# KiCad board afterglow_whitestar.kicad_pcb (continued)
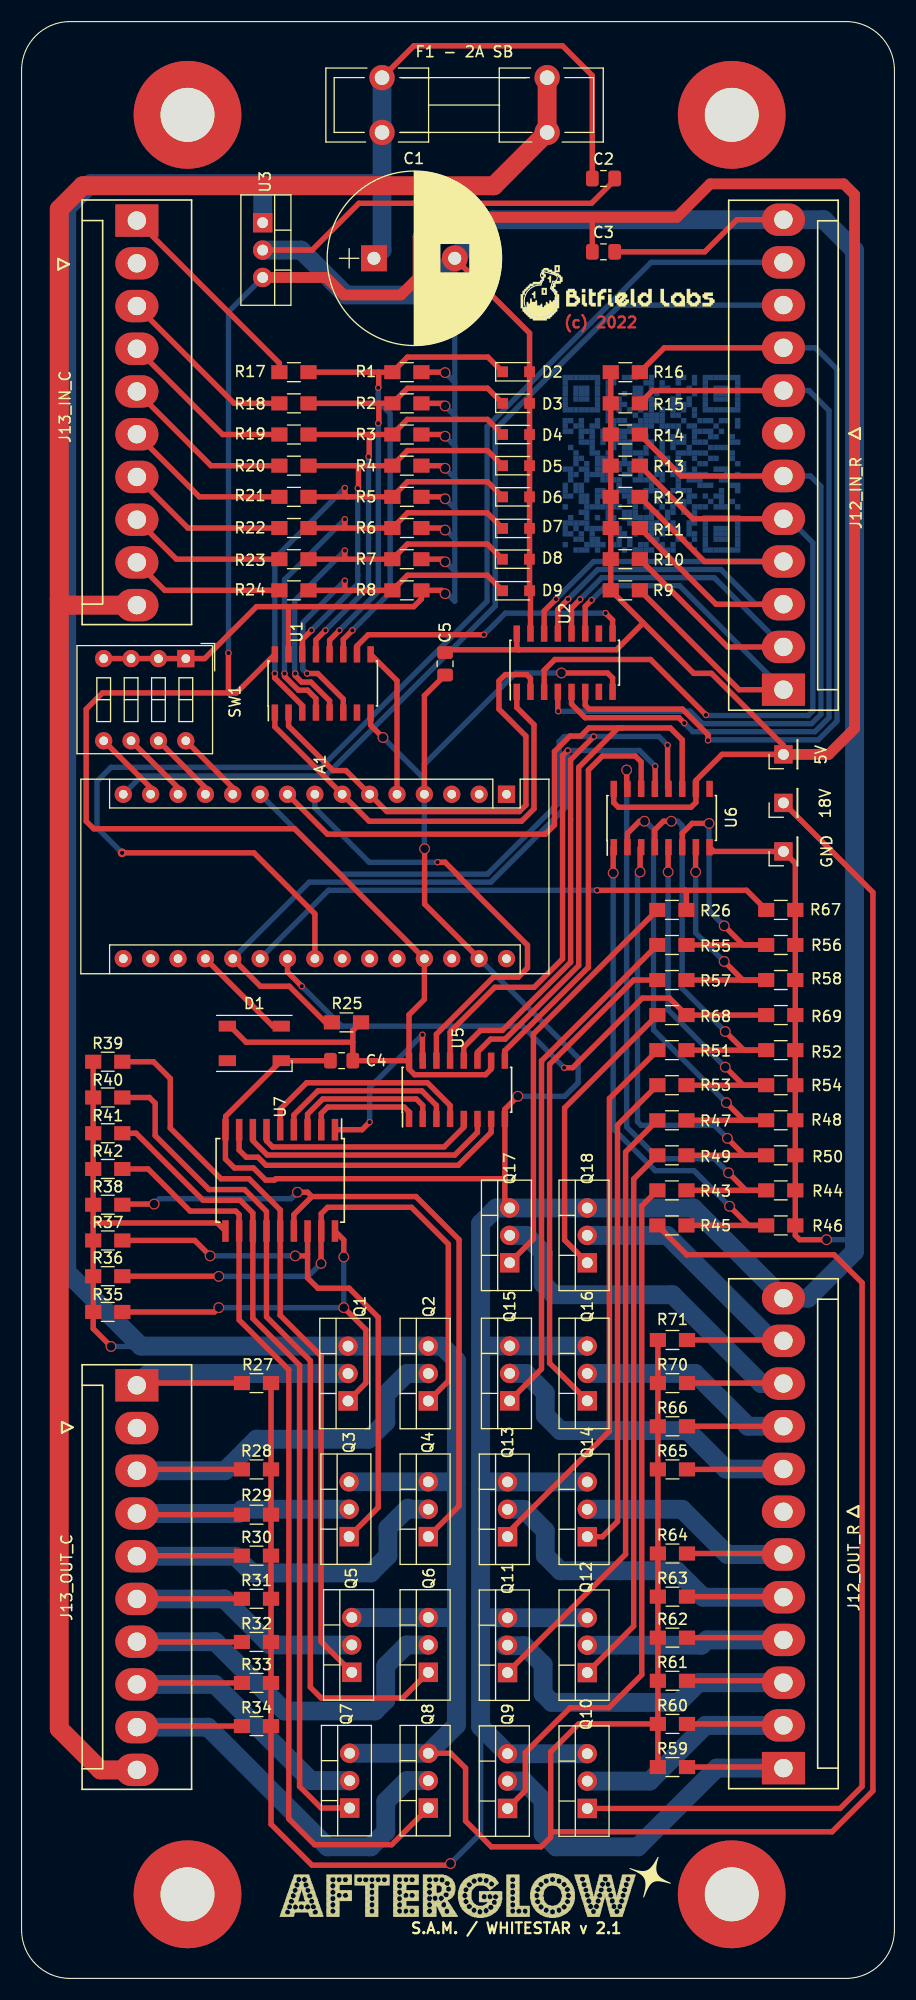
[diagram p0: board, top side]
## Nets
/5V: 5V.1 A1.27 C3.1 C4.2 C5.2 D1.1 R9.2 R10.2 R11.2 R12.2 R13.2 R14.2 R15.2 R16.2 R25.1 U1.16 U2.16 U3.3 U5.10 U5.16 U6.10 U6.16
/18V: 18V.1 C1.1 C2.1 F1 - 2A SB.1 Q1.3 Q2.3 Q3.3 Q4.3 Q5.3 Q6.3 Q7.3 Q8.3 R35.1 R36.1 R37.1 R38.1 R39.1 R40.1 R41.1 R42.1 R59.2 R60.2 R61.2 R62.2 R63.2 R64.2 R65.2 R66.2 R70.2 R71.2 U3.1 U7.10
/18V_IN: F1 - 2A SB.2 J13_IN_C.10 J13_OUT_C.10
GND: A1.4 A1.29 C1.2 C2.2 C3.2 C4.1 C5.1 D1.3 D2.2 D3.2 D4.2 D5.2 D6.2 D7.2 D8.2 D9.2 GND.1 HOLE1.1 HOLE2.1 HOLE3.1 HOLE4.1 J12_IN_R.12 J12_OUT_R.12 Q9.3 Q10.3 Q11.3 Q12.3 Q13.3 Q14.3 Q15.3 Q16.3 Q17.3 Q18.3 R1.2 R2.2 R3.2 R4.2 R5.2 R6.2 R7.2 R8.2 R27.1 R28.1 R29.1 R30.1 R31.1 R32.1 R33.1 R34.1 R44.1 R46.1 R48.1 R50.1 R52.1 R54.1 R56.1 R58.1 R67.1 R69.1 SW1.1 SW1.2 SW1.3 SW1.4 U1.8 U1.15 U2.8 U2.15 U3.2 U5.8 U6.8 U7.9
/CI1: D2.1 R1.1 R17.1 U1.11
/CI2: D3.1 R2.1 R18.1 U1.12
/CI3: D4.1 R3.1 R19.1 U1.13
/CI4: D5.1 R4.1 R20.1 U1.14
/CI5: D6.1 R5.1 R21.1 U1.3
/CI6: D7.1 R6.1 R22.1 U1.4
/CI7: D8.1 R7.1 R23.1 U1.5
/CI8: D9.1 R8.1 R24.1 U1.6
/CO1: Q1.1 R35.2 U7.18
/CO2: Q2.1 R36.2 U7.17
/CO3: Q3.1 R37.2 U7.16
/CO4: Q4.1 R38.2 U7.15
/CO5: Q5.1 R39.2 U7.14
/CO6: Q6.1 R40.2 U7.13
/CO7: Q7.1 R41.2 U7.12
/CO8: Q8.1 R42.2 U7.11
/IN_CLK: A1.6 U1.2 U2.2
/IN_DATA: A1.5 U1.9
/IN_LOAD: A1.7 U1.1 U2.1
/J12_RO1: J12_OUT_R.1 Q9.2 R59.1
/J12_RO2: J12_OUT_R.2 Q10.2 R60.1
/J12_RO3: J12_OUT_R.3 Q11.2 R61.1
/J12_RO4: J12_OUT_R.4 Q12.2 R62.1
/J12_RO5: J12_OUT_R.5 Q13.2 R63.1
/J12_RO6: J12_OUT_R.6 Q14.2 R64.1
/J12_RO7: J12_OUT_R.8 Q15.2 R65.1
/J12_RO8: J12_OUT_R.9 Q16.2 R66.1
/J12_RO9: J12_OUT_R.10 Q17.2 R70.1
/J12_RO10: J12_OUT_R.11 Q18.2 R71.1
/J13_CO1: J13_OUT_C.1 Q1.2 R27.2
/J13_CO2: J13_OUT_C.3 Q2.2 R28.2
/J13_CO3: J13_OUT_C.4 Q3.2 R29.2
/J13_CO4: J13_OUT_C.5 Q4.2 R30.2
/J13_CO5: J13_OUT_C.6 Q5.2 R31.2
/J13_CO6: J13_OUT_C.7 Q6.2 R32.2
/J13_CO7: J13_OUT_C.8 Q7.2 R33.2
/J13_CO8: J13_OUT_C.9 Q8.2 R34.2
/OUT_CLK: A1.9 U5.11 U6.11
/OUT_DATA: A1.8 U5.14
/OUT_LOAD: A1.10 U5.12 U6.12
/RI1: J12_IN_R.1 R9.1 U2.11
/RI2: J12_IN_R.2 R10.1 U2.12
/RI3: J12_IN_R.3 R11.1 U2.13
/RI4: J12_IN_R.4 R12.1 U2.14
/RI5: J12_IN_R.5 R13.1 U2.3
/RI6: J12_IN_R.6 R14.1 U2.4
/RI7: J12_IN_R.8 R15.1 U2.5
/RI8: J12_IN_R.9 R16.1 U2.6
/RI9: A1.15 J12_IN_R.10
/RI10: A1.23 J12_IN_R.11
/RO1: R43.2 R44.2 U6.15
/RO1O: A1.22 R68.2 R69.2
/RO2: R45.2 R46.2 U6.1
/RO3: R47.2 R48.2 U6.2
/RO4: R49.2 R50.2 U6.3
/RO5: R51.2 R52.2 U6.4
/RO6: R53.2 R54.2 U6.5
/RO7: R55.2 R56.2 U6.6
/RO8: R57.2 R58.2 U6.7
/RO9: A1.21 R26.2 R67.2
Net-(A1-Pad11): A1.11 SW1.8
Net-(A1-Pad12): A1.12 SW1.7
Net-(A1-Pad13): A1.13 SW1.6
Net-(A1-Pad14): A1.14 SW1.5
Net-(A1-Pad19): A1.19 D1.4
Net-(A1-Pad20): A1.20 R25.2 U5.13 U6.13
Net-(J1-Pad1): J13_IN_C.1 R17.2
Net-(J1-Pad3): J13_IN_C.3 R18.2
Net-(J1-Pad4): J13_IN_C.4 R19.2
Net-(J1-Pad5): J13_IN_C.5 R20.2
Net-(J1-Pad6): J13_IN_C.6 R21.2
Net-(J1-Pad7): J13_IN_C.7 R22.2
Net-(J1-Pad8): J13_IN_C.8 R23.2
Net-(J1-Pad9): J13_IN_C.9 R24.2
Net-(Q9-Pad1): Q9.1 R43.1
Net-(Q10-Pad1): Q10.1 R45.1
Net-(Q11-Pad1): Q11.1 R47.1
Net-(Q12-Pad1): Q12.1 R49.1
Net-(Q13-Pad1): Q13.1 R51.1
Net-(Q14-Pad1): Q14.1 R53.1
Net-(Q15-Pad1): Q15.1 R55.1
Net-(Q16-Pad1): Q16.1 R57.1
Net-(Q17-Pad1): Q17.1 R26.1
Net-(Q18-Pad1): Q18.1 R68.1
Net-(U1-Pad10): U1.10 U2.9
Net-(U5-Pad1): U5.1 U7.2
Net-(U5-Pad2): U5.2 U7.3
Net-(U5-Pad3): U5.3 U7.4
Net-(U5-Pad4): U5.4 U7.5
Net-(U5-Pad5): U5.5 U7.6
Net-(U5-Pad6): U5.6 U7.7
Net-(U5-Pad7): U5.7 U7.8
Net-(U5-Pad9): U5.9 U6.14
Net-(U5-Pad15): U5.15 U7.1

Pads without a net: A1 1 2 3 16 17 18 24 25 26 28 30; D1 2; J12_IN_R 7; J12_OUT_R 7; J13_IN_C 2; J13_OUT_C 2; U1 7; U2 7 10; U6 9

## Via types
v1: diameter 1, hole 0.8, Top to Bottom, 40 vias
v2: diameter 0.6, hole 0.4, Top to Bottom, 37 vias
v3: diameter 0.8, hole 0.4, Top to Bottom, 1 via

## Routing (per net, layer and track width the routed paths; a pad name or vN(x,y) marks a point on that pad's centre or on a via; arc(x,y) is an arc through that point)
/5V: length 354.9
  Top w0.5: R25.1 30.74,87.89 30.74,86.81 ; U5.10 43.58,84.32 43.05,83.8 36.48,83.8 35.95,84.32 U5.16 ; U6.16 54.95,109.02 55.38,108.6 62.12,108.6 62.58,109.05 U6.10 62.58,111.08 65,113.5 5V.1 70.7,114.33 64.01,121.01 62.37,121.01 57.64,125.74 ; 30.74,86.81 C4.2 U5.16 ; 30.74,86.81 20.84,86.81 19.35,88.3 D1.1 ; 19.2,119.2 7.5,119.2 6,117.7 6,107.3 6.7,106.6 25.34,106.6 A1.27 37.38,90.78 35.95,89.36 U5.16 ; 19.2,119.2 19.93,119.2 U1.16 ; 19.2,119.2 v2(19.2,122.9) ; U2.16 45.95,123.42 46.18,123.2 ; 46.18,123.2 39.56,123.2 C5.2 ; 46.18,123.2 55.2,123.2 57.64,125.64 57.64,125.74 ; 57.64,125.74 R9.2 R16.2 ; 52.9,163.3 52.96,163.24 C3.1
  Top w1: 5V.1 74.9,113.5 77.3,115.9 77.3,165.4 76.3,166.4 63.9,166.4 60.8,163.3 38.6,163.3 36.8,161.5 36.8,157.7 35.2,156.1 29.9,156.1 28.28,157.72 U3.3
  Bottom w0.5: v2(19.2,122.9) 19.2,154.55 U3.3
/18V: length 531.1
  Top w0.5: v1(8.3,58.6) 6.65,60.25 R35.1 6.65,70.05 ; R60.2 51.7,23.6 49.1,21 49.1,13.6 ; 6.65,70.05 18.17,70.05 U7.10 ; 6.65,70.05 R39.1 ; 49.1,13.6 75.21,13.6 79,17.39 79,100.7 18V.1 ; 49.1,13.6 49.1,13.1 48.2,12.2 43.6,12.2 41.2,14.6 41.2,19.5 39.82,20.88 Q8.3 ; C2.1 52.96,176.44 50.2,179.2 36.4,179.2 F1 - 2A SB.1 ; R59.2 R71.2
  Bottom w0.5: 11.07,58.63 11.04,58.6 v1(8.3,58.6)
  Bottom w1.75: 40.35,45.95 40.25,46.05 Q3.3 ; 40.35,45.95 40.35,33.65 ; 40.35,45.95 40.35,57.3 39.02,58.63 Q2.3 Q1.3 11.07,58.63 4.2,65.5 4.2,164.2 6.43,166.43 22.98,166.43 ; 22.98,166.43 33.27,166.43 33.45,166.25 ; 22.98,166.43 22.38,165.82 U3.1 ; 40.35,33.65 40.35,23.49 Q8.3 Q7.3 ; 40.35,33.65 40.16,33.46 Q5.3 ; C1.1 33.45,160.25 33.45,166.25 ; 33.45,166.25 F1 - 2A SB.1
/18V_IN: length 210.4
  Top w1.75: J13_IN_C.10 4.05,127.34 3.5,127.89 ; 3.5,127.89 3.5,23.15 7.31,19.34 J13_OUT_C.10 ; 3.5,127.89 3.5,164.05 5.67,166.22 43.82,166.22 F1 - 2A SB.2 F1 - 2A SB.2
GND: length 728.4
  Top w0.5: A1.29 37.4,99.62 v1(37.4,104.75) ; R4.2 39.06,140.27 v1(39.3,140.03) ; 54.84,119.3 54.84,120.58 54.38,121.05 v1(50.11,121.05) ; v1(46.05,81.8) 44.84,80.59 44.84,74.16 ; U1.8 32.39,116.2 v1(33.53,115.07) ; R1.2 39.26,148.94 v1(39.3,148.9) ; R6.2 39.11,134.49 v1(39.3,134.3) ; 63.84,104.9 64.25,104.5 GND.1 71.8,103.4 R67.1 R46.1 71.8,68.9 72.2,68.5 v1(74.7,68.5) ; R7.2 39.06,131.6 v1(39.3,131.36) ; v1(39.3,145.81) 39.06,146.05 R2.2 ; 44.84,74.16 23.6,74.16 23.48,74.03 22.65,74.03 21.53,75.15 19.75,75.15 18.92,75.98 U7.9 18.94,78.72 18.94,79.94 D1.3 C4.1 ; 44.84,74.16 44.84,71.89 Q17.3 ; C5.1 37.38,118.94 A1.4 ; C1.2 47.14,152.56 D2.2 D9.2 47.23,128.59 U2.15 ; U1.15 24.78,127.17 24.8,127.2 ; SW1.4 SW1.1 16.98,122.38 21.8,127.2 24.8,127.2 ; v1(39.3,128.4) 38.99,128.71 R8.2 37.11,127.91 36.4,127.2 24.8,127.2 ; J12_IN_R.12 66.38,163.08 63.4,160.1 C3.2 ; R5.2 39.12,137.38 v1(39.3,137.2) ; R27.1 R34.1 23.15,14.3 26.95,10.5 39.65,10.5 v1(39.8,10.65) ; v1(39.3,143) 39.14,143.16 R3.2 ; C2.2 55.04,166.75 52.89,164.6 31.3,164.6 26.96,160.26 U3.2
  Bottom w0.5: v1(39.3,131.36) 39.34,131.36 40.2,130.5 ; v1(39.3,145.81) 39.3,145.8 40.2,144.9 ; v1(33.53,115.07) 37.38,111.22 ; 37.38,111.22 A1.4 37.38,104.77 v1(37.4,104.75) ; 37.38,111.22 37.38,112.58 45.85,121.05 v1(50.11,121.05) ; v1(39.8,10.65) 42.6,13.45 42.6,23.34 ; 40.2,142.1 40.2,139.1 ; 40.2,142.1 40.2,144.9 ; 40.2,142.1 v1(39.3,143) ; 40.2,139.1 40.2,136.3 ; 40.2,139.1 39.3,140 v1(39.3,140.03) ; v1(39.3,148.9) 40.2,148 ; 40.2,148 C1.2 ; 40.2,148 40.2,144.9 ; v1(39.3,137.2) 40.2,136.3 ; 40.2,136.3 40.2,133.5 ; A1.29 51.65,85.37 51.65,83.05 50.4,81.8 v1(46.05,81.8) ; 40.2,133.5 39.4,134.3 v1(39.3,134.3) ; 40.2,133.5 40.2,130.5 ; v1(74.7,68.5) 77,68.5 77.3,68.2 ; v1(39.3,128.4) 39.5,128.4 40.2,127.7 40.2,130.5
  Bottom w1.75: Q10.3 Q9.3 42.6,23.34 42.6,33.4 ; 42.6,33.4 42.6,45.8 ; 42.6,33.4 42.64,33.44 Q11.3 Q12.3 ; 42.6,45.8 42.84,46.04 Q14.3 ; 42.6,45.8 42.6,58.8 ; U3.2 25.94,160.26 30.1,156.1 36.8,156.1 C1.2 43.78,163.08 J12_IN_R.12 74.45,163.08 77.3,160.23 77.3,67.4 72.98,63.08 J12_OUT_R.12 62.34,71.44 Q18.3 Q17.3 44.04,71.44 42.6,70 42.6,58.8 ; 42.6,58.8 42.76,58.64 Q16.3
/CI1: length 47.6
  Top w0.5: R17.1 33.14,148.94 ; 33.14,148.94 R1.1 35.81,150.34 43.28,150.34 D2.1 ; 33.14,148.94 33.14,147.54 v2(33.1,147.5) ; U1.11 29.86,124.16 v2(30.7,125)
  Bottom w0.5: v2(30.7,125) 34.2,128.5 34.2,145.1 33.1,146.2 v2(33.1,147.5)
/CI2: length 44.3
  Top w0.5: 33.15,146.05 33.15,144.25 v2(33.1,144.2) ; 33.15,146.05 R2.1 35.81,147.45 43.24,147.45 D3.1 ; 33.15,146.05 R18.1 ; v2(29.5,125) 28.59,124.08 U1.12
  Bottom w0.5: v2(33.1,144.2) 33.1,128.6 v2(29.5,125)
/CI3: length 41.6
  Top w0.5: D4.1 43.24,144.56 35.81,144.56 R3.1 32.26,143.16 ; v2(28.2,125) 27.31,124.11 U1.13 ; 32.26,143.16 32.26,141.16 v2(32.2,141.1) ; 32.26,143.16 R19.1
  Bottom w0.5: v2(28.2,125) 32.2,129 v2(32.2,141.1)
/CI4: length 38.8
  Top w0.5: 31.27,140.27 R4.1 35.81,141.67 43.24,141.67 D5.1 ; 31.27,140.27 31.27,138.25 v2(31.2,138.18) ; 31.27,140.27 R20.1 ; v2(26.9,125) 26.05,124.14 U1.14
  Bottom w0.5: v2(31.2,138.18) 31.2,129.3 v2(26.9,125)
/CI5: length 44.7
  Top w0.5: 30.22,137.38 R5.1 35.81,138.78 43.24,138.78 D6.1 ; 30.22,137.38 30,137.6 v2(30,138.2) ; 30.22,137.38 R21.1 ; v2(23.5,121) 23.5,120.58 26.05,118.04 U1.3
  Bottom w0.5: v2(30,138.2) 23.5,131.7 v2(23.5,121)
/CI6: length 42
  Top w0.5: v2(24.4,121) 24.4,120.74 25.69,119.45 26.54,119.45 27.31,118.68 U1.4 ; R22.1 29.89,134.49 ; 29.89,134.49 R6.1 35.82,135.9 43.2,135.9 D7.1 ; 29.89,134.49 30,134.6 v2(30,135.3)
  Bottom w0.5: v2(24.4,121) 24.4,129.7 v2(30,135.3)
/CI7: length 38.8
  Top w0.5: R23.1 29.9,131.6 ; 29.9,131.6 R7.1 35.8,133 43.23,133 D8.1 ; 29.9,131.6 30,131.7 v2(30,132.4) ; U1.5 28.59,118.47 26.85,120.2 26,120.2 25.4,120.8 v2(25.4,121)
  Bottom w0.5: v2(30,132.4) 25.35,127.75 25.35,121.05 v2(25.4,121)
/CI8: length 36.1
  Top w0.5: v2(30,129.6) 30,128.8 30.09,128.71 ; 30.09,128.71 R8.1 35.81,130.11 43.21,130.11 D9.1 ; 30.09,128.71 R24.1 ; U1.6 29.86,118.62 27.48,121 v2(26.5,121)
  Bottom w0.5: v2(26.5,121) 26.1,121.4 26.1,125.7 v2(30,129.6)
/CO1: length 38.3
  Top w0.5: v1(29.9,62.2) 31.94,60.16 31.94,55.2 Q1.1 ; v1(18.3,62.2) 17.9,61.8 R35.2 ; v1(29.9,66.9) 29.9,68.48 U7.18
  Bottom w0.5: v1(29.9,66.9) v1(29.9,62.2) v1(18.3,62.2)
/CO2: length 52.3
  Top w0.5: v1(18.3,65.1) 18.29,65.11 R36.2 ; Q2.1 37.75,53.55 39.6,55.4 39.6,68.09 36.19,71.5 28.4,71.5 27.81,70.91 U7.17 27.79,69.28 v1(27.79,66.3)
  Bottom w0.5: v1(27.79,66.3) 26.59,65.1 v1(18.3,65.1)
/CO3: length 51.7
  Top w0.5: U7.16 26.54,67.14 ; Q3.1 33.1,43.67 33.1,61.3 30.4,64 27.5,64 26.54,64.96 26.54,67.14 ; R37.2 16.07,68.43 v1(17.5,67) ; v1(25.4,67) 26.4,67 26.54,67.14
  Bottom w0.5: v1(17.5,67) v1(25.4,67)
/CO4: length 66.2
  Top w0.5: v1(12.3,71.8) 9.41,71.8 R38.2 ; v1(25.6,72.9) 26.54,72.9 26.94,72.5 ; U7.15 25.27,70.83 26.94,72.5 ; 26.94,72.5 36.6,72.5 40.6,68.5 40.6,43.82 Q4.1
  Bottom w0.5: v1(25.6,72.9) 25,72.3 12.8,72.3 v1(12.3,71.8)
/CO5: length 68.7
  Top w0.5: Q5.1 27.8,31.23 27.8,57.69 24,61.49 U7.14 24,71.26 21.11,74.15 18.5,74.15 13.8,78.85 13.8,83.45 12.25,85 R39.2
/CO6: length 77.7
  Top w0.5: R40.2 11.86,81.69 12.4,81.15 12.4,78.15 17.4,73.15 20.7,73.15 22.73,71.12 U7.13 22.73,61.35 26.8,57.28 26.8,27 27.8,26 35.36,26 Q6.1
/CO7: length 75.6
  Top w0.5: Q7.1 27.8,15.8 25.8,17.8 25.8,56.86 21.46,61.2 U7.12 21.46,70.97 20.28,72.15 16.85,72.15 10.63,78.37 R41.2
/CO8: length 85.9
  Top w0.5: Q8.1 34.34,12.4 27.2,12.4 24.8,14.8 24.8,56.45 20.19,61.06 U7.11 20.19,70.83 19.87,71.15 15.65,71.15 11.74,75.06 R42.2
/IN_CLK: length 43.9
  Top w0.5: U2.2 47.23,120.55 46.88,120.9 44.9,120.9 44.3,120.3 44.3,117.7 46.8,115.2 46.8,108.8 46.2,108.2 33.9,108.2 A1.6 30.1,112 28.9,112 24.78,116.12 U1.2
/IN_DATA: length 14
  Top w0.5: A1.5 34.84,120.33 U1.9
/IN_LOAD: length 41
  Top w0.5: U1.1 23.51,116.06 A1.7 32.26,107.3 46.4,107.3 47.55,108.45 47.55,116.25 45.95,117.84 U2.1
/J12_RO1: length 42
  Top w0.5: J12_OUT_R.1 70.6,19.6 R59.1
  Bottom w1.75: J12_OUT_R.1 64.5,19.5 57.2,12.2 49.6,12.2 48.4,13.4 48.4,16.5 46.6,18.3 Q9.2
/J12_RO2: length 29.4
  Top w0.5: R60.1 70.56,23.6 J12_OUT_R.2
  Bottom w1.75: J12_OUT_R.2 63.46,23.46 58.3,18.3 Q10.2
/J12_RO3: length 39.7
  Top w0.5: J12_OUT_R.3 70.52,27.6 R61.1
  Bottom w1.75: Q11.2 44.9,30.9 44.85,30.85 46.65,30.85 48.4,29.1 48.4,26.4 49.2,25.6 61,25.6 62.82,27.42 J12_OUT_R.3
/J12_RO4: length 27.4
  Top w0.5: R62.1 70.49,31.6 J12_OUT_R.4
  Bottom w1.75: Q12.2 63.1,30.9 63.59,31.39 J12_OUT_R.4
/J12_RO5: length 39.3
  Top w0.5: R63.1 70.65,35.4 J12_OUT_R.5
  Bottom w1.75: J12_OUT_R.5 63.25,35.35 60.8,37.8 50,37.8 48.6,39.2 48.6,41.5 46.6,43.5 Q13.2
/J12_RO6: length 28.9
  Top w0.5: J12_OUT_R.6 70.61,39.4 R64.1
  Bottom w1.75: J12_OUT_R.6 65.49,39.31 61.3,43.5 Q14.2
/J12_RO7: length 39.3
  Top w0.5: R65.1 70.66,47.2 J12_OUT_R.8
  Bottom w1.75: J12_OUT_R.8 65.36,47.24 61.8,50.8 50,50.8 48.6,52.2 48.6,54.3 46.8,56.1 Q15.2
/J12_RO8: length 29.2
  Top w0.5: R66.1 J12_OUT_R.9
  Bottom w1.75: J12_OUT_R.9 67.4,51.2 62.5,56.1 Q16.2
/J12_RO9: length 41.8
  Top w0.5: R70.1 70.66,55.2 J12_OUT_R.10
  Bottom w1.75: Q17.2 46.8,68.9 48.4,67.3 48.4,64.4 49.4,63.4 60.4,63.4 68.64,55.16 J12_OUT_R.10
/J12_RO10: length 31.2
  Top w0.5: J12_OUT_R.11 70.62,59.2 R71.1
  Bottom w1.75: J12_OUT_R.11 69.68,59.12 59.9,68.9 Q18.2
/J13_CO1: length 29.9
  Top w0.5: R27.2 10.9,55.2 J13_OUT_C.1
  Bottom w1.75: J13_OUT_C.1 11.79,56.09 Q1.2
/J13_CO2: length 42.1
  Top w0.5: R28.2 10.82,47.2 J13_OUT_C.3
  Bottom w1.75: J13_OUT_C.3 18.88,47.08 21.8,50 32.2,50 33.8,51.6 33.8,54.15 35.74,56.09 Q2.2
/J13_CO3: length 29.7
  Top w0.5: R29.2 10.81,43 J13_OUT_C.4
  Bottom w1.75: Q3.2 20.51,43.51 20.11,43.11 J13_OUT_C.4
/J13_CO4: length 41.5
  Top w0.5: R30.2 10.75,39.2 J13_OUT_C.5
  Bottom w1.75: Q4.2 35.92,43.51 35.83,43.6 34,41.77 34,39.2 32.4,37.6 21.4,37.6 19.85,39.15 J13_OUT_C.5
/J13_CO5: length 31.5
  Top w0.5: R31.2 10.71,35.2 J13_OUT_C.6
  Bottom w1.75: Q5.2 23.08,30.92 18.81,35.19 J13_OUT_C.6
/J13_CO6: length 43.9
  Top w0.5: R32.2 10.73,31.2 J13_OUT_C.7
  Bottom w1.75: J13_OUT_C.7 17.97,31.23 24.4,24.8 32.8,24.8 33.8,25.8 33.8,28.99 35.74,30.92 Q6.2
/J13_CO7: length 33.2
  Top w0.5: R33.2 10.84,27.4 J13_OUT_C.8
  Bottom w1.75: Q7.2 26.86,18.34 17.94,27.26 J13_OUT_C.8
/J13_CO8: length 45.6
  Top w0.5: J13_OUT_C.9 10.8,23.4 R34.2
  Bottom w1.75: J13_OUT_C.9 17.3,23.3 28.4,12.2 32.4,12.2 33.8,13.6 33.8,16.4 35.74,18.34 Q8.2
/OUT_CLK: length 88.7
  Top w0.5: 55.75,115.95 52.64,115.95 51.89,115.2 50.89,115.2 49.45,113.76 49.45,106.95 48.6,106.1 28.38,106.1 A1.9 ; 55.75,115.95 60.2,115.95 61.31,114.84 U6.11 ; 55.75,115.95 55.35,115.95 51.7,112.3 51.7,93.92 44.88,87.1 43.53,87.1 42.31,85.88 U5.11
/OUT_DATA: length 41.9
  Top w0.5: v2(38.6,103.5) 39.3,103.5 40.3,102.5 40.3,102.45 46.95,95.8 46.95,93.7 46.1,92.85 43.8,92.85 38.5,87.55 U5.14
  Bottom w0.5: A1.8 27.22,108.53 32.25,103.5 v2(38.6,103.5)
/OUT_LOAD: length 90.1
  Top w0.5: U6.12 59.95,110.39 v2(59.95,114.35) ; v2(53.1,115.15) 50.95,113 50.95,94.23 44.62,87.9 42.59,87.9 41.03,86.35 U5.12
  Bottom w0.5: v2(59.95,114.35) 59.15,115.15 v2(53.1,115.15) 50.35,115.15 49.89,114.69 49.89,110.35 49.9,110.34 49.9,109.06 43.24,102.4 29.54,102.4 A1.10
/RI1: length 42.8
  Top w0.5: J12_IN_R.1 66.59,119.5 R9.1 ; U2.11 52.31,127.21 v2(52.9,127.8)
  Bottom w0.5: J12_IN_R.1 61.06,129.14 54.23,129.14 v2(52.9,127.8)
/RI2: length 42.6
  Top w0.5: U2.12 51.03,127.07 v2(51.83,127.87) ; J12_IN_R.2 65.51,123.46 R10.1
  Bottom w0.5: v2(51.83,127.87) 53.85,129.89 64.27,129.89 J12_IN_R.2
/RI3: length 42.3
  Top w0.5: U2.13 49.77,126.93 v2(50.72,127.88) ; R11.1 64.44,127.42 J12_IN_R.3
  Bottom w0.5: J12_IN_R.3 68.11,127.42 64.9,130.64 53.47,130.64 v2(50.72,127.88)
/RI4: length 42
  Top w0.5: U2.14 48.5,126.8 v2(49.6,127.9) ; R12.1 63.37,131.39 J12_IN_R.4
  Bottom w0.5: v2(49.6,127.9) 53.09,131.39 J12_IN_R.4
/RI5: length 64.3
  Top w0.5: R13.1 62.3,135.35 J12_IN_R.5 ; U2.3 48.5,121.31 49.49,122.3 58.37,122.3 v2(63.51,117.16)
  Bottom w0.5: 63.5,117.1 73,117.1 73.43,117.53 73.43,133.12 71.2,135.35 J12_IN_R.5
/RI6: length 66.9
  Top w0.5: R14.1 61.22,139.31 J12_IN_R.6 ; v2(49.8,117.5) 49.77,117.53 U2.4
  Bottom w0.5: v2(49.8,117.5) 62.04,117.5 63.19,116.35 73.31,116.35 74.18,117.22 74.18,138.34 73.2,139.31 J12_IN_R.6
/RI7: length 73.9
  Top w0.5: R15.1 58.56,147.24 J12_IN_R.8 ; U2.5 51.03,118.17 52.3,116.9 61,116.9 v2(61.5,116.4)
  Bottom w0.5: v2(61.5,116.4) 62.3,115.6 73.62,115.6 74.93,116.91 74.93,145.37 73.06,147.24 J12_IN_R.8
/RI8: length 79.7
  Top w0.5: v2(63.7,114.8) 63.7,115.33 61.33,117.7 52.66,117.7 52.31,118.05 U2.6 ; R16.1 59.63,151.2 J12_IN_R.9
  Bottom w0.5: J12_IN_R.9 73.68,151.2 75.68,149.2 75.68,116.6 73.93,114.85 63.75,114.85 v2(63.7,114.8)
/RI9: length 89.6
  Bottom w0.5: J12_IN_R.10 55.52,155.16 43.95,143.59 43.95,127.25 28.2,111.5 11.14,111.5 A1.15
/RI10: length 125.1
  Top w0.5: A1.23 27.22,98.71 21.56,104.37 v3(9.33,104.37)
  Bottom w0.5: J12_IN_R.11 58.42,159.12 43.2,143.9 43.2,127.7 27.8,112.3 8.3,112.3 7,111 7,106.7 v3(9.33,104.37)
/RO1: length 57.7
  Top w0.5: U6.15 56.15,110.38 v1(56.15,112.05) ; v1(65.6,74.7) 67.23,73.07 R44.2 R43.2
  Bottom w0.5: v1(56.15,112.05) 56.15,79.26 56.15,78.96 59.11,76.01 64.29,76.01 v1(65.6,74.7)
/RO1O: length 52.7
  Top w0.5: A1.22 24.68,93.32 v2(26,92) ; R69.2 R68.2 60.13,90.9 57.6,90.9 51.15,84.45 v2(50.35,84.45)
  Bottom w0.5: v2(26,92) 29.7,88.3 46.5,88.3 v2(50.35,84.45)
/RO2: length 51.4
  Top w0.5: v1(65.7,71.6) 67.48,69.82 R46.2 R45.2 ; U6.1 54.9,104.84 v1(54.9,102.5)
  Bottom w0.5: v1(54.9,102.5) 54.9,78.8 58.8,74.9 62.4,74.9 v1(65.7,71.6)
/RO3: length 44.4
  Top w0.5: v1(65.4,81.2) 67.03,79.57 R48.2 R47.2 ; U6.2 56.23,106.18 57.35,107.3 v1(57.8,107.3)
  Bottom w0.5: v1(57.8,107.3) 57.9,107.3 58.65,106.55 58.65,87.95 v1(65.4,81.2)
/RO4: length 46.2
  Top w0.5: U6.3 57.4,104.8 v1(57.4,102.6) ; v1(65.5,77.9) 67.08,76.32 R50.2 R49.2
  Bottom w0.5: v1(65.5,77.9) 64.3,79.1 57.5,79.1 57.15,79.45 57.15,102.35 v1(57.4,102.6)
/RO5: length 37.3
  Top w0.5: R51.2 R52.2 67.02,86.08 v1(65.3,87.8) ; v1(60.3,107.3) 59.57,107.3 58.77,106.5 U6.4
  Bottom w0.5: v1(60.3,107.3) 60.9,107.3 61.3,106.9 61.3,91.8 v1(65.3,87.8)
/RO6: length 34.5
  Top w0.5: v1(60,102.6) 60,104.86 U6.5 ; R53.2 R54.2 66.98,82.82 v1(65.3,84.5)
  Bottom w0.5: v1(65.3,84.5) 60,89.8 v1(60,102.6)
/RO7: length 26.3
  Top w0.5: U6.6 61.31,106.18 62.23,107.1 v1(63.8,107.1) ; R55.2 R56.2 66.97,95.83 v1(65.2,97.6)
  Bottom w0.5: v1(65.2,97.6) 63.8,99 v1(63.8,107.1)
/RO8: length 23.7
  Top w0.5: v1(62.55,102.6) 62.55,104.87 U6.7 ; R57.2 R58.2 66.92,92.58 v1(65.2,94.3)
  Bottom w0.5: v1(62.55,102.6) 62.55,96.95 v1(65.2,94.3)
/RO9: length 52.2
  Top w0.5: 61.6,100.9 67.28,100.9 R67.2 ; 61.6,100.9 v2(53.4,100.9) ; 61.6,100.9 61.7,100.8 R26.2
  Bottom w0.5: v2(53.4,100.9) 28.48,100.9 A1.21
Net-(A1-Pad11): length 6.8
  Top w0.5: A1.11 19.6,110.41 SW1.8
Net-(A1-Pad12): length 6.8
  Top w0.5: SW1.7 17.06,110.41 A1.12
Net-(A1-Pad13): length 6.8
  Top w0.5: SW1.6 14.52,110.41 A1.13
Net-(A1-Pad14): length 6.8
  Top w0.5: A1.14 11.98,110.41 SW1.5
Net-(A1-Pad19): length 9.6
  Top w0.5: A1.19 23.32,88.3 D1.4
Net-(A1-Pad20): length 100
  Top w0.5: U5.13 39.77,87.76 43.91,91.9 47.56,91.9 50.2,94.54 50.2,113.38 v2(50.68,113.87) ; U6.13 58.8,110.33 v2(58.8,112.4) ; A1.20 22.16,92 24.85,92 28.2,88.65 R25.2
  Bottom w0.5: v2(58.8,112.4) 57.33,113.87 v2(50.68,113.87) 50.68,108.78 43.55,101.65 26.69,101.65 A1.20
Net-(J1-Pad1): length 19.5
  Top w0.5: 23.92,148.94 23.92,149.78 J13_IN_C.1
Net-(J1-Pad3): length 17
  Top w0.5: 23.92,146.05 19.73,146.05 J13_IN_C.3
Net-(J1-Pad4): length 16.5
  Top w0.5: J13_IN_C.4 18.65,143.16 23.92,143.16
Net-(J1-Pad5): length 16.1
  Top w0.5: J13_IN_C.5 17.58,140.27 23.92,140.27
Net-(J1-Pad6): length 15.6
  Top w0.5: J13_IN_C.6 16.51,137.38 23.92,137.38
Net-(J1-Pad7): length 15.2
  Top w0.5: J13_IN_C.7 15.44,134.49 23.92,134.49
Net-(J1-Pad8): length 14.7
  Top w0.5: 23.92,131.6 14.36,131.6 J13_IN_C.8
Net-(J1-Pad9): length 14.3
  Top w0.5: 23.92,128.71 13.29,128.71 J13_IN_C.9
Net-(Q9-Pad1): length 65.2
  Top w0.5: R43.1 57.55,71.62 57.55,28.15 54.5,25.1 50.9,25.1 46.74,20.94 46.74,17.41 Q9.1
Net-(Q10-Pad1): length 94.3
  Top w0.5: Q10.1 75.96,15.76 78,17.8 78,64.5 75.4,67.1 61.7,67.1 61.7,67.12 R45.1
Net-(Q11-Pad1): length 57
  Top w0.5: R47.1 56.05,76.63 56.05,39.33 45.09,28.37 Q11.1
Net-(Q12-Pad1): length 50.7
  Top w0.5: Q12.1 56.8,32.67 56.8,74.12 R49.1
Net-(Q13-Pad1): length 50.9
  Top w0.5: Q13.1 45.16,40.96 45.16,41.36 54.55,50.75 54.55,81.59 59,86.04 R51.1
Net-(Q14-Pad1): length 45.4
  Top w0.5: R53.1 55.3,79.13 55.3,42.37 53.89,40.96 Q14.1
Net-(Q15-Pad1): length 48
  Top w0.5: R55.1 48.27,85.1 48.25,85.1 48.25,56.51 Q15.1
Net-(Q16-Pad1): length 45.9
  Top w0.5: Q16.1 49,57.06 49,84.77 56.81,92.58 R57.1
Net-(Q17-Pad1): length 38.4
  Top w0.5: Q17.1 47.5,68.56 47.5,87.6 47.52,87.6 R26.1
Net-(Q18-Pad1): length 27.4
  Top w0.5: R68.1 50.39,80.72 50.39,68.46 Q18.1
Net-(U1-Pad10): length 27.3
  Top w0.5: 54.84,124.7 54.84,125.95 v2(54.2,126.6) ; v2(42.9,124.6) 32.17,124.6 31.12,123.55 U1.10
  Bottom w0.5: v2(54.2,126.6) 44.9,126.6 v2(42.9,124.6)
Net-(U5-Pad1): length 10.7
  Top w0.5: U5.1 35.95,80.34 35.5,80.8 28.41,80.8 27.81,80.2 U7.2
Net-(U5-Pad2): length 14.2
  Top w0.5: U5.2 37.23,80.95 36.63,81.55 27.95,81.55 26.54,80.14 U7.3
Net-(U5-Pad3): length 17.3
  Top w0.5: U7.4 25.27,80.07 27.5,82.3 37.15,82.3 38.5,80.95 U5.3
Net-(U5-Pad4): length 20.8
  Top w0.5: U5.4 39.77,80.95 37.67,83.05 26.45,83.05 24,80.6 U7.5
Net-(U5-Pad5): length 21.1
  Top w0.5: U5.5 41.03,78.92 39.21,77.1 23.3,77.1 22.73,77.67 U7.6
Net-(U5-Pad6): length 24.5
  Top w0.5: U7.7 21.46,77.69 22.8,76.35 40.21,76.35 42.31,78.45 U5.6
Net-(U5-Pad7): length 28.4
  Top w0.5: U5.7 43.58,78.45 40.53,75.4 22.69,75.4 21.94,76.15 20.85,76.15 20.19,76.81 U7.8
Net-(U5-Pad9): length 38.4
  Top w0.5: U6.14 57.5,112.81 56.95,113.35 53.9,113.35 52.6,112.05 52.6,93.74 52.58,93.74 44.89,86.05 44.84,86.05 44.84,85.1
Net-(U5-Pad15): length 16
  Top w0.5: v2(37.2,87.5) 37.2,85.12 U5.15 ; v2(32.3,79.4) 31.6,78.7 U7.1
  Bottom w0.5: v2(32.3,79.4) 32.3,82.6 v2(37.2,87.5)

## Copper pours and planes (outline as drawn; the poured copper is in the pictures)
GND on Bottom: 79.2,176.9 79.1,5 76.2,2 4.2,2 2.3,5 2.1,176.9 4.2,179 77.2,179

## Text on the board
Top: (c) 2022
F.Mask: (c) 2022
F.Silkscreen: S.A.M. / WHITESTAR v 2.1
